# Altium PCB ld_harness.PcbDoc (part 1 of 3)
Units mm, origin at the board's own origin, x right, y up, seen from the top; angles counter-clockwise.
Board outline 234 x 120.33 mm, 2 copper layers (Top Layer, Bottom Layer), stack 0.145 mm thick; 21 components, 114 nets, 500 pads, 1994 vias.
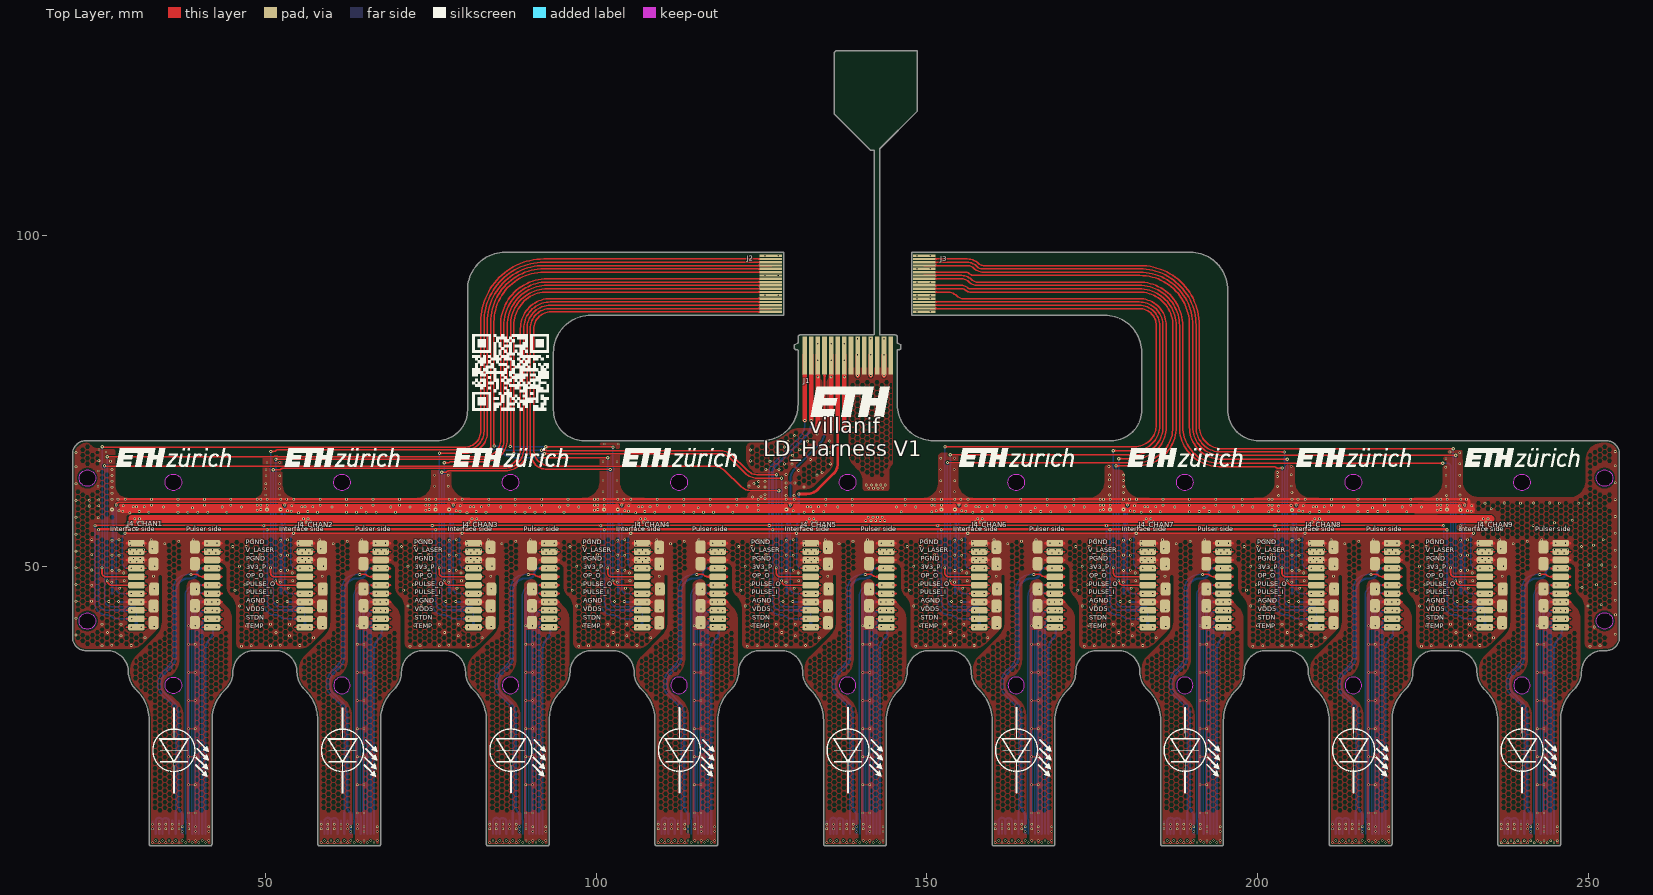
[diagram p0: Top Layer view]
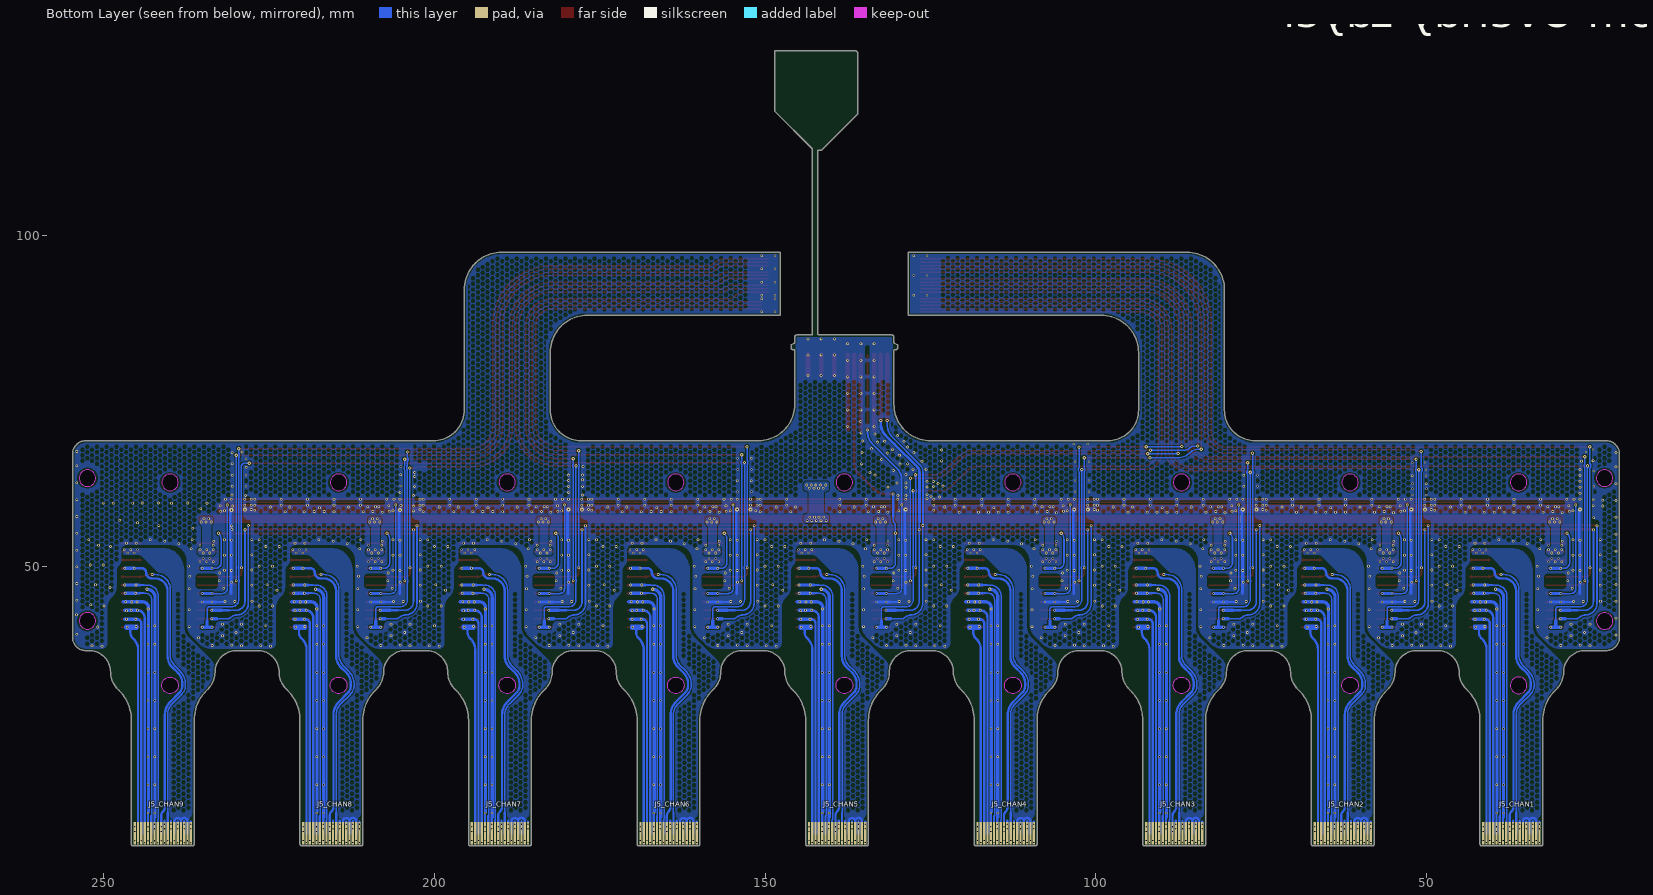
[diagram p1: Bottom Layer view, seen from below]

## Layer stack, top to bottom
Top Coverlay: solder mask 0.0254, SM-001, Dk 4
Adhesive 1: prepreg 0.025, PP-006, Dk 3
Top Layer: signal copper 0.035
Dielectric 1: prepreg 0.025, FR-4, Dk 3
Bottom Layer: signal copper 0.035
Adhesive 2: prepreg 0.025, PP-006, Dk 3
Bottom Coverlay: solder mask 0.0254, SM-001, Dk 4

## Board outline
142.875,85 142.85,85.025 142.85,113.175 148.55,118.875 148.55,128.025 136.275,128.025 135.975,127.725 135.975,118.425 141.45,112.95 142.025,112.95 142.025,85.075 141.925,85 130.802,85 ccw(c130.8,84.7) 130.5,84.7 130.5,83.9 cw(c130.3,83.9) 130.378,83.716 130.378,83.717 129.95,83.5 129.95,83 ccw(c130.15,83) 130.15,82.8 130.3,82.8 cw(c130.3,82.6) 130.5,82.6 130.5,74.5 cw(c125,74.5) 125,69 98.148,69 cw(c98.148,73.648) 93.5,73.648 93.5,82.336 cw(c99.164,82.336) 99.164,88 128.3,88 128.3,97.5 94.5,97.5 86.164,97.5 ccw(c86.164,91.836) 80.5,91.836 80.5,73.648 cw(c75.852,73.648) 75.852,69 22.75,69 ccw(c22.75,67) 20.75,67 20.75,39.25 ccw(c22.75,39.25) 22.75,37.25 25.95,37.25 cw(c25.95,34) 29.2,34 ccw(c32.821,34) 30.261,31.439 30.476,31.224 cw(c25.953,26.7) 32.35,26.7 32.35,11.7 32.35,8 ccw(c32.65,8) 32.65,7.7 41.55,7.7 ccw(c41.55,8) 41.85,8 41.85,26.7 cw(c48.248,26.7) 43.724,31.224 43.939,31.439 ccw(c41.379,34) 45,34 cw(c48.25,34) 48.25,37.25 51.45,37.25 cw(c51.45,34) 54.7,34 ccw(c58.321,34) 55.761,31.439 55.976,31.224 cw(c51.453,26.7) 57.85,26.7 57.85,11.7 57.85,8 ccw(c58.15,8) 58.15,7.7 67.05,7.7 ccw(c67.05,8) 67.35,8 67.35,11.7 67.35,26.7 cw(c73.748,26.7) 69.224,31.224 69.439,31.439 ccw(c66.879,34) 70.5,34 cw(c73.75,34) 73.75,37.25 76.95,37.25 cw(c76.95,34) 80.2,34 ccw(c83.821,34) 81.261,31.439 81.476,31.224 cw(c76.953,26.7) 83.35,26.7 83.35,11.7 83.35,8 ccw(c83.65,8) 83.65,7.7 92.55,7.7 ccw(c92.55,8) 92.85,8 92.85,11.7 92.85,26.7 cw(c99.248,26.7) 94.724,31.224 94.939,31.439 ccw(c92.379,34) 96,34 cw(c99.25,34) 99.25,37.25 102.45,37.25 cw(c102.45,34) 105.7,34 ccw(c109.321,34) 106.761,31.439 106.976,31.224 cw(c102.453,26.7) 108.85,26.7 108.85,11.7 108.85,8 ccw(c109.15,8) 109.15,7.7 118.05,7.7 ccw(c118.05,8) 118.35,8 118.35,11.7 118.35,26.7 cw(c124.748,26.7) 120.224,31.224 120.439,31.439 ccw(c117.879,34) 121.5,34 cw(c124.75,34) 124.75,37.25 127.95,37.25 cw(c127.95,34) 131.2,34 ccw(c134.821,34) 132.261,31.439 132.476,31.224 cw(c127.953,26.7) 134.35,26.7 134.35,11.7 134.35,8 ccw(c134.65,8) 134.65,7.7 143.55,7.7 ccw(c143.55,8) 143.85,8 143.85,11.7 143.85,26.7 cw(c150.248,26.7) 145.724,31.224 145.939,31.44 ccw(c143.379,34) 147,34 cw(c150.25,34) 150.25,37.25 153.45,37.25 cw(c153.45,34) 156.7,34 ccw(c160.321,34) 157.761,31.44 157.976,31.224 cw(c153.453,26.7) 159.85,26.7 159.85,11.7 159.85,8 ccw(c160.15,8) 160.15,7.7 169.05,7.7 ccw(c169.05,8) 169.35,8 169.35,11.7 169.35,26.7 cw(c175.748,26.7) 171.224,31.224 171.439,31.44 ccw(c168.879,34) 172.5,34 cw(c175.75,34) 175.75,37.25 178.95,37.25 cw(c178.95,34) 182.2,34 ccw(c185.821,34) 183.261,31.44 183.476,31.224 cw(c178.953,26.7) 185.35,26.7 185.35,11.7 185.35,8 ccw(c185.65,8) 185.65,7.7 194.55,7.7 ccw(c194.55,8) 194.85,8 194.85,11.7 194.85,26.7 cw(c201.248,26.7) 196.724,31.224 196.939,31.44 ccw(c194.379,34) 198,34 cw(c201.25,34) 201.25,37.25 204.45,37.25 cw(c204.45,34) 207.7,34 ccw(c211.321,34) 208.76,31.44 208.976,31.224 cw(c204.452,26.7) 210.85,26.7 210.85,11.7 210.85,8 ccw(c211.15,8) 211.15,7.7 220.05,7.7 ccw(c220.05,8) 220.35,8 220.35,11.7 220.35,26.7 cw(c226.748,26.7) 222.224,31.224 222.439,31.44 ccw(c219.879,34) 223.5,34 cw(c226.75,34) 226.75,37.25 229.95,37.25 cw(c229.95,34) 233.2,34 ccw(c236.821,34) 234.26,31.44 234.476,31.224 cw(c229.952,26.7) 236.35,26.7 236.35,11.7 236.35,8 ccw(c236.65,8) 236.65,7.7 245.55,7.7 ccw(c245.55,8) 245.85,8 245.85,11.7 245.85,26.7 cw(c252.248,26.7) 247.724,31.224 247.939,31.44 ccw(c245.379,34) 249,34 cw(c252.25,34) 252.25,37.25 252.75,37.25 ccw(c252.75,39.25) 254.75,39.25 254.75,67 ccw(c252.75,67) 252.75,69 200.148,69 cw(c200.148,73.648) 195.5,73.648 195.5,91.836 ccw(c189.836,91.836) 189.836,97.5 181.5,97.5 147.7,97.5 147.7,88 176.836,88 cw(c176.836,82.336) 182.5,82.336 182.5,73.648 cw(c177.852,73.648) 177.852,69 151,69 cw(c151,74.5) 145.5,74.5 145.5,82.6 cw(c145.7,82.6) 145.7,82.8 145.85,82.8 ccw(c145.85,83) 146.05,83 146.05,83.5 145.622,83.717 145.622,83.716 cw(c145.7,83.9) 145.5,83.9 145.5,84.7 ccw(c145.2,84.7) 145.2,85
cut-out: 252.5,43 cw(c252.5,41.75) 253.75,41.75 cw(c252.5,41.75) 252.5,40.5 cw(c252.5,41.75) 251.25,41.75 cw(c252.5,41.75)
cut-out: 240,63.95 cw(c240,62.7) 241.25,62.7 cw(c240,62.7) 240,61.45 cw(c240,62.7) 238.75,62.7 cw(c240,62.7)
cut-out: 214.5,63.95 cw(c214.5,62.7) 215.75,62.7 cw(c214.5,62.7) 214.5,61.45 cw(c214.5,62.7) 213.25,62.7 cw(c214.5,62.7)
cut-out: 189,63.95 cw(c189,62.7) 190.25,62.7 cw(c189,62.7) 189,61.45 cw(c189,62.7) 187.75,62.7 cw(c189,62.7)
cut-out: 163.5,63.95 cw(c163.5,62.7) 164.75,62.7 cw(c163.5,62.7) 163.5,61.45 cw(c163.5,62.7) 162.25,62.7 cw(c163.5,62.7)
cut-out: 138,63.95 cw(c138,62.7) 139.25,62.7 cw(c138,62.7) 138,61.45 cw(c138,62.7) 136.75,62.7 cw(c138,62.7)
cut-out: 112.5,63.95 cw(c112.5,62.7) 113.75,62.7 cw(c112.5,62.7) 112.5,61.45 cw(c112.5,62.7) 111.25,62.7 cw(c112.5,62.7)
cut-out: 87,63.95 cw(c87,62.7) 88.25,62.7 cw(c87,62.7) 87,61.45 cw(c87,62.7) 85.75,62.7 cw(c87,62.7)
cut-out: 61.5,63.95 cw(c61.5,62.7) 62.75,62.7 cw(c61.5,62.7) 61.5,61.45 cw(c61.5,62.7) 60.25,62.7 cw(c61.5,62.7)
cut-out: 36,63.95 cw(c36,62.7) 37.25,62.7 cw(c36,62.7) 36,61.45 cw(c36,62.7) 34.75,62.7 cw(c36,62.7)
cut-out: 22.994,42.976 cw(c22.994,41.726) 24.244,41.726 cw(c22.994,41.726) 22.994,40.476 cw(c22.994,41.726) 21.744,41.726 cw(c22.994,41.726)
cut-out: 36,33.25 cw(c36,32) 37.25,32 cw(c36,32) 36,30.75 cw(c36,32) 34.75,32 cw(c36,32)
cut-out: 252.5,64.6 cw(c252.5,63.35) 253.75,63.35 cw(c252.5,63.35) 252.5,62.1 cw(c252.5,63.35) 251.25,63.35 cw(c252.5,63.35)
cut-out: 23,64.6 cw(c23,63.35) 24.25,63.35 cw(c23,63.35) 23,62.1 cw(c23,63.35) 21.75,63.35 cw(c23,63.35)
cut-out: 241.25,32 ccw(c240,32) 240,33.25 ccw(c240,32) 238.75,32 ccw(c240,32) 240,30.75 ccw(c240,32)
cut-out: 215.75,32 ccw(c214.5,32) 214.5,33.25 ccw(c214.5,32) 213.25,32 ccw(c214.5,32) 214.5,30.75 ccw(c214.5,32)
cut-out: 190.25,32 ccw(c189,32) 189,33.25 ccw(c189,32) 187.75,32 ccw(c189,32) 189,30.75 ccw(c189,32)
cut-out: 164.75,32 ccw(c163.5,32) 163.5,33.25 ccw(c163.5,32) 162.25,32 ccw(c163.5,32) 163.5,30.75 ccw(c163.5,32)
cut-out: 139.25,32 ccw(c138,32) 138,33.25 ccw(c138,32) 136.75,32 ccw(c138,32) 138,30.75 ccw(c138,32)
cut-out: 113.75,32 ccw(c112.5,32) 112.5,33.25 ccw(c112.5,32) 111.25,32 ccw(c112.5,32) 112.5,30.75 ccw(c112.5,32)
cut-out: 88.25,32 ccw(c87,32) 87,33.25 ccw(c87,32) 85.75,32 ccw(c87,32) 87,30.75 ccw(c87,32)
cut-out: 62.75,32 ccw(c61.5,32) 61.5,33.25 ccw(c61.5,32) 60.25,32 ccw(c61.5,32) 61.5,30.75 ccw(c61.5,32)

## Design rules (kind name [scope] priority, off if disabled: settings)
AcuteAngle [All] p1: minimum=5.50000000000000E+0001 checktracksonly=FALSE
BoardOutlineClearance [All] p1: gap=0.3 ignorepadtopadclearanceinfootprint=FALSE except(0.2: SMDPad-OutlineEdge)
Clearance [All] p1: gap=0.15 ignorepadtopadclearanceinfootprint=FALSE
ComponentClearance [All] p1: gap=0.1 collisioncheckmode=3 verticalgap=0.1 showdistances=FALSE donotcheckwithout3dbody=TRUE
DiffPairsRouting DiffPair_DiffPairsRouting [InDifferentialPair ('D1') Or InDifferentialPair ('D')] p1: maxlimit=0.192 minlimit=0.192 mostfreqgap=0.192 toplayer_minwidth=0.17 toplayer_maxwidth=0.17 toplayer_prefwidth=0.17 bottomlayer_minwidth=0.17 bottomlayer_maxwidth=0.17 bottomlayer_prefwidth=0.17 substack1={E028774B-6D13-4667-862C-8059A97C1B8A} toplayer_{e028774b-6d13-4667-862c-8059a97c1b8a}_minwidth=0.381 toplayer_{e028774b-6d13-4667-862c-8059a97c1b8a}_maxwidth=0.381 toplayer_{e028774b-6d13-4667-862c-8059a97c1b8a}_prefwidth=0.381 bottomlayer_{e028774b-6d13-4667-862c-8059a97c1b8a}_minwidth=0.381 bottomlayer_{e028774b-6d13-4667-862c-8059a97c1b8a}_maxwidth=0.381 bottomlayer_{e028774b-6d13-4667-862c-8059a97c1b8a}_prefwidth=0.381 impedanceprofiledriven=TRUE maxuncoupledlength=12.7
DiffPairsRouting [All] p2: maxlimit=0.192 minlimit=0.192 mostfreqgap=0.192 toplayer_minwidth=0.17 toplayer_maxwidth=0.17 toplayer_prefwidth=0.17 bottomlayer_minwidth=0.17 bottomlayer_maxwidth=0.17 bottomlayer_prefwidth=0.17 substack1={E028774B-6D13-4667-862C-8059A97C1B8A} toplayer_{e028774b-6d13-4667-862c-8059a97c1b8a}_minwidth=0.381 toplayer_{e028774b-6d13-4667-862c-8059a97c1b8a}_maxwidth=0.381 toplayer_{e028774b-6d13-4667-862c-8059a97c1b8a}_prefwidth=0.381 bottomlayer_{e028774b-6d13-4667-862c-8059a97c1b8a}_minwidth=0.381 bottomlayer_{e028774b-6d13-4667-862c-8059a97c1b8a}_maxwidth=0.381 bottomlayer_{e028774b-6d13-4667-862c-8059a97c1b8a}_prefwidth=0.381 impedanceprofiledriven=TRUE maxuncoupledlength=12.7
Height [All] p1: minheight=0 maxheight=100.4 prefheight=2.5
HoleSize [All] p1: absolutevalues=TRUE maxlimit=5 minlimit=0.2 maxpercent=80.000 minpercent=20.000
HoleToHoleClearance [All] p1: gap=0.3 allowstackedmicrovias=FALSE
MatchedLengths DiffPair_MatchedLengths [InDifferentialPair ('D1') Or InDifferentialPair ('D')] p1: tolerance=0.5 checknetsindiffpair=TRUE checkdiffpairvsdiffpair=FALSE checkxsignals=FALSE checkothers=FALSE
MinimumAnnularRing [All] p1: minimumring=0.074
MinimumSolderMaskSliver [All] p1: minsoldermaskwidth=0.125
NetAntennae [not isVia] p1: netantennaetolerance=0.5
PlaneClearance [All] p1: clearance=0.3
PlaneConnect [All] p1: planeconnectstyle=Direct reliefexpansion=0.4 reliefentries=4 reliefconductorwidth=0.25 reliefairgap=0.25
PolygonConnect [All] p1: connectstyle=Direct reliefconductorwidth=0.25 reliefentries=4 polygonreliefangle="90 Angle" airgapwidth=0.25
RoomDefinition CHAN3 [InComponentClass('CHAN3')] p1: confinementstyle=ConfineIn formatcopy=FALSE lockcomponents=FALSE outline 74.2,0 99.7,0 99.7,70 74.2,70
RoomDefinition CHAN2 [InComponentClass('CHAN2')] p2: confinementstyle=ConfineIn formatcopy=FALSE lockcomponents=FALSE outline 48.7,0 74.2,0 74.2,70 48.7,70
RoomDefinition CHAN4 [InComponentClass('CHAN4')] p3: confinementstyle=ConfineIn formatcopy=FALSE lockcomponents=FALSE outline 99.7,0 125.2,0 125.2,70 99.7,70
RoomDefinition CHAN5 [InComponentClass('CHAN5')] p4: confinementstyle=ConfineIn formatcopy=FALSE lockcomponents=FALSE outline 125.2,0 150.7,0 150.7,70 125.2,70
RoomDefinition CHAN6 [InComponentClass('CHAN6')] p5: confinementstyle=ConfineIn formatcopy=FALSE lockcomponents=FALSE outline 150.7,0 176.2,0 176.2,70 150.7,70
RoomDefinition CHAN7 [InComponentClass('CHAN7')] p6: confinementstyle=ConfineIn formatcopy=FALSE lockcomponents=FALSE outline 176.2,0 201.7,0 201.7,70 176.2,70
RoomDefinition CHAN8 [InComponentClass('CHAN8')] p7: confinementstyle=ConfineIn formatcopy=TRUE lockcomponents=FALSE outline 201.7,0 227.2,0 227.2,70 201.7,70
RoomDefinition CHAN9 [InComponentClass('CHAN9')] p8: confinementstyle=ConfineIn formatcopy=FALSE lockcomponents=FALSE outline 227.2,0 252.7,0 252.7,70 227.2,70
RoomDefinition CHAN1 [InComponentClass('CHAN1')] p9: confinementstyle=ConfineIn formatcopy=FALSE lockcomponents=FALSE outline 23.2,0 48.7,0 48.7,70 23.2,70
RoutingCorners [All] p1: cornerstyle=45-Degree minsetback=1.5 maxsetback=1.5
RoutingVias [All] p1: holewidth=0.3 width=0.6 viastyle="Through Hole" minholewidth=0.2 minwidth=0.35 maxholewidth=0.7 maxwidth=1.5
SilkToSilkClearance [All] p1: silktosilkclearance=0
SilkToSolderMaskClearance [IsPad] p1: minsilkscreentomaskgap=0 clearancetoexposedcopper=TRUE
SolderMaskExpansion SolderMaskExpansion_1 [IsVia] p1: expansion=0.05 istentingtop=TRUE
SolderMaskExpansion [All] p2: expansion=0 istentingtop=FALSE
Width Width_pwr [InNetClass('power')] p1: maxlimit=1 minlimit=0.15 preferedwidth=0.2 substack1={E028774B-6D13-4667-862C-8059A97C1B8A}
Width [All] p2: maxlimit=1.2 minlimit=0.15 preferedwidth=0.2 substack1={E028774B-6D13-4667-862C-8059A97C1B8A} toplayer_{e028774b-6d13-4667-862c-8059a97c1b8a}_maxwidth=1 bottomlayer_{e028774b-6d13-4667-862c-8059a97c1b8a}_maxwidth=1
18 further rules are at their usual default settings.

## Classes and differential pairs
channel class channel: CHAN1 CHAN2 CHAN3 CHAN4 CHAN5 CHAN6 CHAN7 CHAN8 CHAN9
net class TEMP_A[1..9]: TEMP_A1 TEMP_A2 TEMP_A3 TEMP_A4 TEMP_A5 TEMP_A6 TEMP_A7 TEMP_A8 TEMP_A9
net class PULSE_OUT_A[1..9]: PULSE_OUT_A1 PULSE_OUT_A2 PULSE_OUT_A3 PULSE_OUT_A4 PULSE_OUT_A5 PULSE_OUT_A6 PULSE_OUT_A7 PULSE_OUT_A8 PULSE_OUT_A9
net class OP_OUT_P[1..9]: OP_OUT_P1 OP_OUT_P2 OP_OUT_P3 OP_OUT_P4 OP_OUT_P5 OP_OUT_P6 OP_OUT_P7 OP_OUT_P8 OP_OUT_P9
component class main: J1 J2 J3
component class CHAN9: J4_CHAN9 J5_CHAN9
component class CHAN8: J4_CHAN8 J5_CHAN8
component class CHAN7: J4_CHAN7 J5_CHAN7
component class CHAN6: J4_CHAN6 J5_CHAN6
component class CHAN5: J4_CHAN5 J5_CHAN5
component class CHAN4: J4_CHAN4 J5_CHAN4
component class CHAN3: J4_CHAN3 J5_CHAN3
component class CHAN2: J4_CHAN2 J5_CHAN2
component class CHAN1: J4_CHAN1 J5_CHAN1

## Components (designator, comment, footprint, x,y, rotation, side; value= is the part's Value field where it differs from the comment)
J1 "FPC_conn" FPC_connector_14_1mm 138.5,82 r0 top
J2 "FPC_conn" FPC_connector_18_0.5 127,92.75 r270 top
J3 "FPC_conn" FPC_connector_18_0.5 149,92.75 r90 top
J4_CHAN1 "LD_driver_footprint" Driver_footprint 31,39.805 r0 top (schematic designator J4)
J4_CHAN2 "LD_driver_footprint" Driver_footprint 56.5,39.805 r0 top (schematic designator J4)
J4_CHAN3 "LD_driver_footprint" Driver_footprint 82,39.805 r0 top (schematic designator J4)
J4_CHAN4 "LD_driver_footprint" Driver_footprint 107.5,39.805 r0 top (schematic designator J4)
J4_CHAN5 "LD_driver_footprint" Driver_footprint 133,39.805 r0 top (schematic designator J4)
J4_CHAN6 "LD_driver_footprint" Driver_footprint 158.5,39.805 r0 top (schematic designator J4)
J4_CHAN7 "LD_driver_footprint" Driver_footprint 184,39.805 r0 top (schematic designator J4)
J4_CHAN8 "LD_driver_footprint" Driver_footprint 209.5,39.805 r0 top (schematic designator J4)
J4_CHAN9 "LD_driver_footprint" Driver_footprint 235,39.805 r0 top (schematic designator J4)
J5_CHAN1 "FPC_conn" FPC_connector_18_0.5 37.1,9 r0 bottom (schematic designator J5)
J5_CHAN2 "FPC_conn" FPC_connector_18_0.5 62.6,9 r0 bottom (schematic designator J5)
J5_CHAN3 "FPC_conn" FPC_connector_18_0.5 88.1,9 r0 bottom (schematic designator J5)
J5_CHAN4 "FPC_conn" FPC_connector_18_0.5 113.6,9 r0 bottom (schematic designator J5)
J5_CHAN5 "FPC_conn" FPC_connector_18_0.5 139.1,9 r0 bottom (schematic designator J5)
J5_CHAN6 "FPC_conn" FPC_connector_18_0.5 164.6,9 r0 bottom (schematic designator J5)
J5_CHAN7 "FPC_conn" FPC_connector_18_0.5 190.1,9 r0 bottom (schematic designator J5)
J5_CHAN8 "FPC_conn" FPC_connector_18_0.5 215.6,9 r0 bottom (schematic designator J5)
J5_CHAN9 "FPC_conn" FPC_connector_18_0.5 241.1,9 r0 bottom (schematic designator J5)

## Footprints (in the part's own frame and the unit in brackets; to place one, negate y for a bottom-side part, rotate by r counter-clockwise, add the part's x,y. Pads: shape width x height; smd on the part's side, far side on the other; paste and mask are expansions set on the pad)
Driver_footprint [mm]
  rrect50% 2.5x1 smd: 1(10.85,13.7) 1_G(-0.6,13.7) 2(10.85,12.43) 2_G(-0.6,12.43) 3(10.85,11.16) 3_G(-0.6,11.16) 4(10.85,9.89) 4_G(-0.6,9.89) 5(10.85,8.62) 5_G(-0.6,8.62) 6(10.85,7.35) 6_G(-0.6,7.35) 7(10.85,6.08) 7_G(-0.6,6.08) 8(10.85,4.81) 8_G(-0.6,4.81) 9(10.85,3.54) 9_G(-0.6,3.54) 10(10.85,2.27) 10_G(-0.6,2.27) 11(10.85,1) 11_G(-0.6,1)
  rrect50% 1.5x2 smd: AGND(8.25,1.695) AGND(8.25,4.235) AGND(8.25,6.775) AGND_G(2,1.65) AGND_G(2,4.19) AGND_G(2.1,6.75) PGND(2,10.54) PGND(2,13.08) PGND(8.25,10.585) PGND(8.25,13.125)
  Top Layer lines w0.25: -2.1,1 0.9,1 ; -2.1,2.27 0.9,2.27 ; -2.1,3.54 0.9,3.54 ; -2.1,4.81 0.9,4.81 ; -2.1,6.08 0.9,6.08 ; -2.1,7.35 0.9,7.35 ; -2.1,8.62 0.9,8.62 ; -2.1,9.89 0.9,9.89 ; -2.1,11.16 0.9,11.16 ; -2.1,12.43 0.9,12.43 ; -2.1,13.7 0.9,13.7 ; 9.35,1 12.35,1 ; 9.35,2.27 12.35,2.27 ; 9.35,3.54 12.35,3.54 ; 9.35,4.81 12.35,4.81 ; 9.35,6.08 12.35,6.08 ; 9.35,7.35 12.35,7.35 ; 9.35,8.62 12.35,8.62 ; 9.35,9.89 12.35,9.89 ; 9.35,11.16 12.35,11.16 ; 9.35,12.43 12.35,12.43 ; 9.35,13.7 12.35,13.7
  body extent 0,0 10.25,14.75, height 2.75
FPC_connector_14_1mm [mm] "FPC connector, 154Contacts, 1mm mm pitch, suited for 2005280140 connector"
  rect 0.7x5.8 smd paste-2539.97 mask+0: 1(-7,-0.1) 2(-6,-0.1) 3(-5,-0.1) 4(-4,-0.1) 5(-3,-0.1) 6(-2,-0.1) 7(-1,-0.1) 8(0,-0.1) 9(1,-0.1) 10(2,-0.1) 11(3,-0.1) 12(4,-0.1) 13(5,-0.1) 14(6,-0.1)
  body extent -24.4,-1.35 23.4,74.9, height 19.24
FPC_connector_18_0.5 [mm] "FPC connector, 18 Contacts, 0.5 mm pitch"
  rect 0.35x3.4 smd paste-2539.97 mask+0: 1(-4.25,-0.6) 2(-3.75,-0.6) 3(-3.25,-0.6) 4(-2.75,-0.6) 5(-2.25,-0.6) 6(-1.75,-0.6) 7(-1.25,-0.6) 8(-0.75,-0.6) 9(-0.25,-0.6) 10(0.25,-0.6) 11(0.75,-0.6) 12(1.25,-0.6) 13(1.75,-0.6) 14(2.25,-0.6) 15(2.75,-0.6) 16(3.25,-0.6) 17(3.75,-0.6) 18(4.25,-0.6)
  body extent -4.4,-1.1 4.5,1.1, height 0.1

## Part data
J1: library part FPC_connector_1mm_14, "Connector FPC, 14 pin, 1mm pitch"
J2 J3: library part FPC_connector, "Connector FPC, 18 pin, 0.5mm pitch"
J4_CHAN1 J4_CHAN2 J4_CHAN3 J4_CHAN4 J4_CHAN5 J4_CHAN6 J4_CHAN7 J4_CHAN8 J4_CHAN9: library part LD_Driver, "footprint LD driver"
J5_CHAN1 J5_CHAN2 J5_CHAN3 J5_CHAN4 J5_CHAN5 J5_CHAN6 J5_CHAN7 J5_CHAN8 J5_CHAN9: library part FPC_connector_pulser, "Connector FPC, 18 pin, 0.5mm pitch"

## Via types
v1: diameter 0.4, hole 0.2, Top Layer to Bottom Layer, tented both sides, 1077 vias
v2: diameter 0.35, hole 0.2, Top Layer to Bottom Layer, tented both sides, 739 vias
v3: diameter 0.45, hole 0.2, Top Layer to Bottom Layer, tented both sides, 98 vias
v4: diameter 0.5, hole 0.2, Top Layer to Bottom Layer, tented both sides, 65 vias
v5: diameter 0.6, hole 0.2, Top Layer to Bottom Layer, tented both sides, 15 vias
